# KiCad board NoU2-panelized2.kicad_pcb (continued)
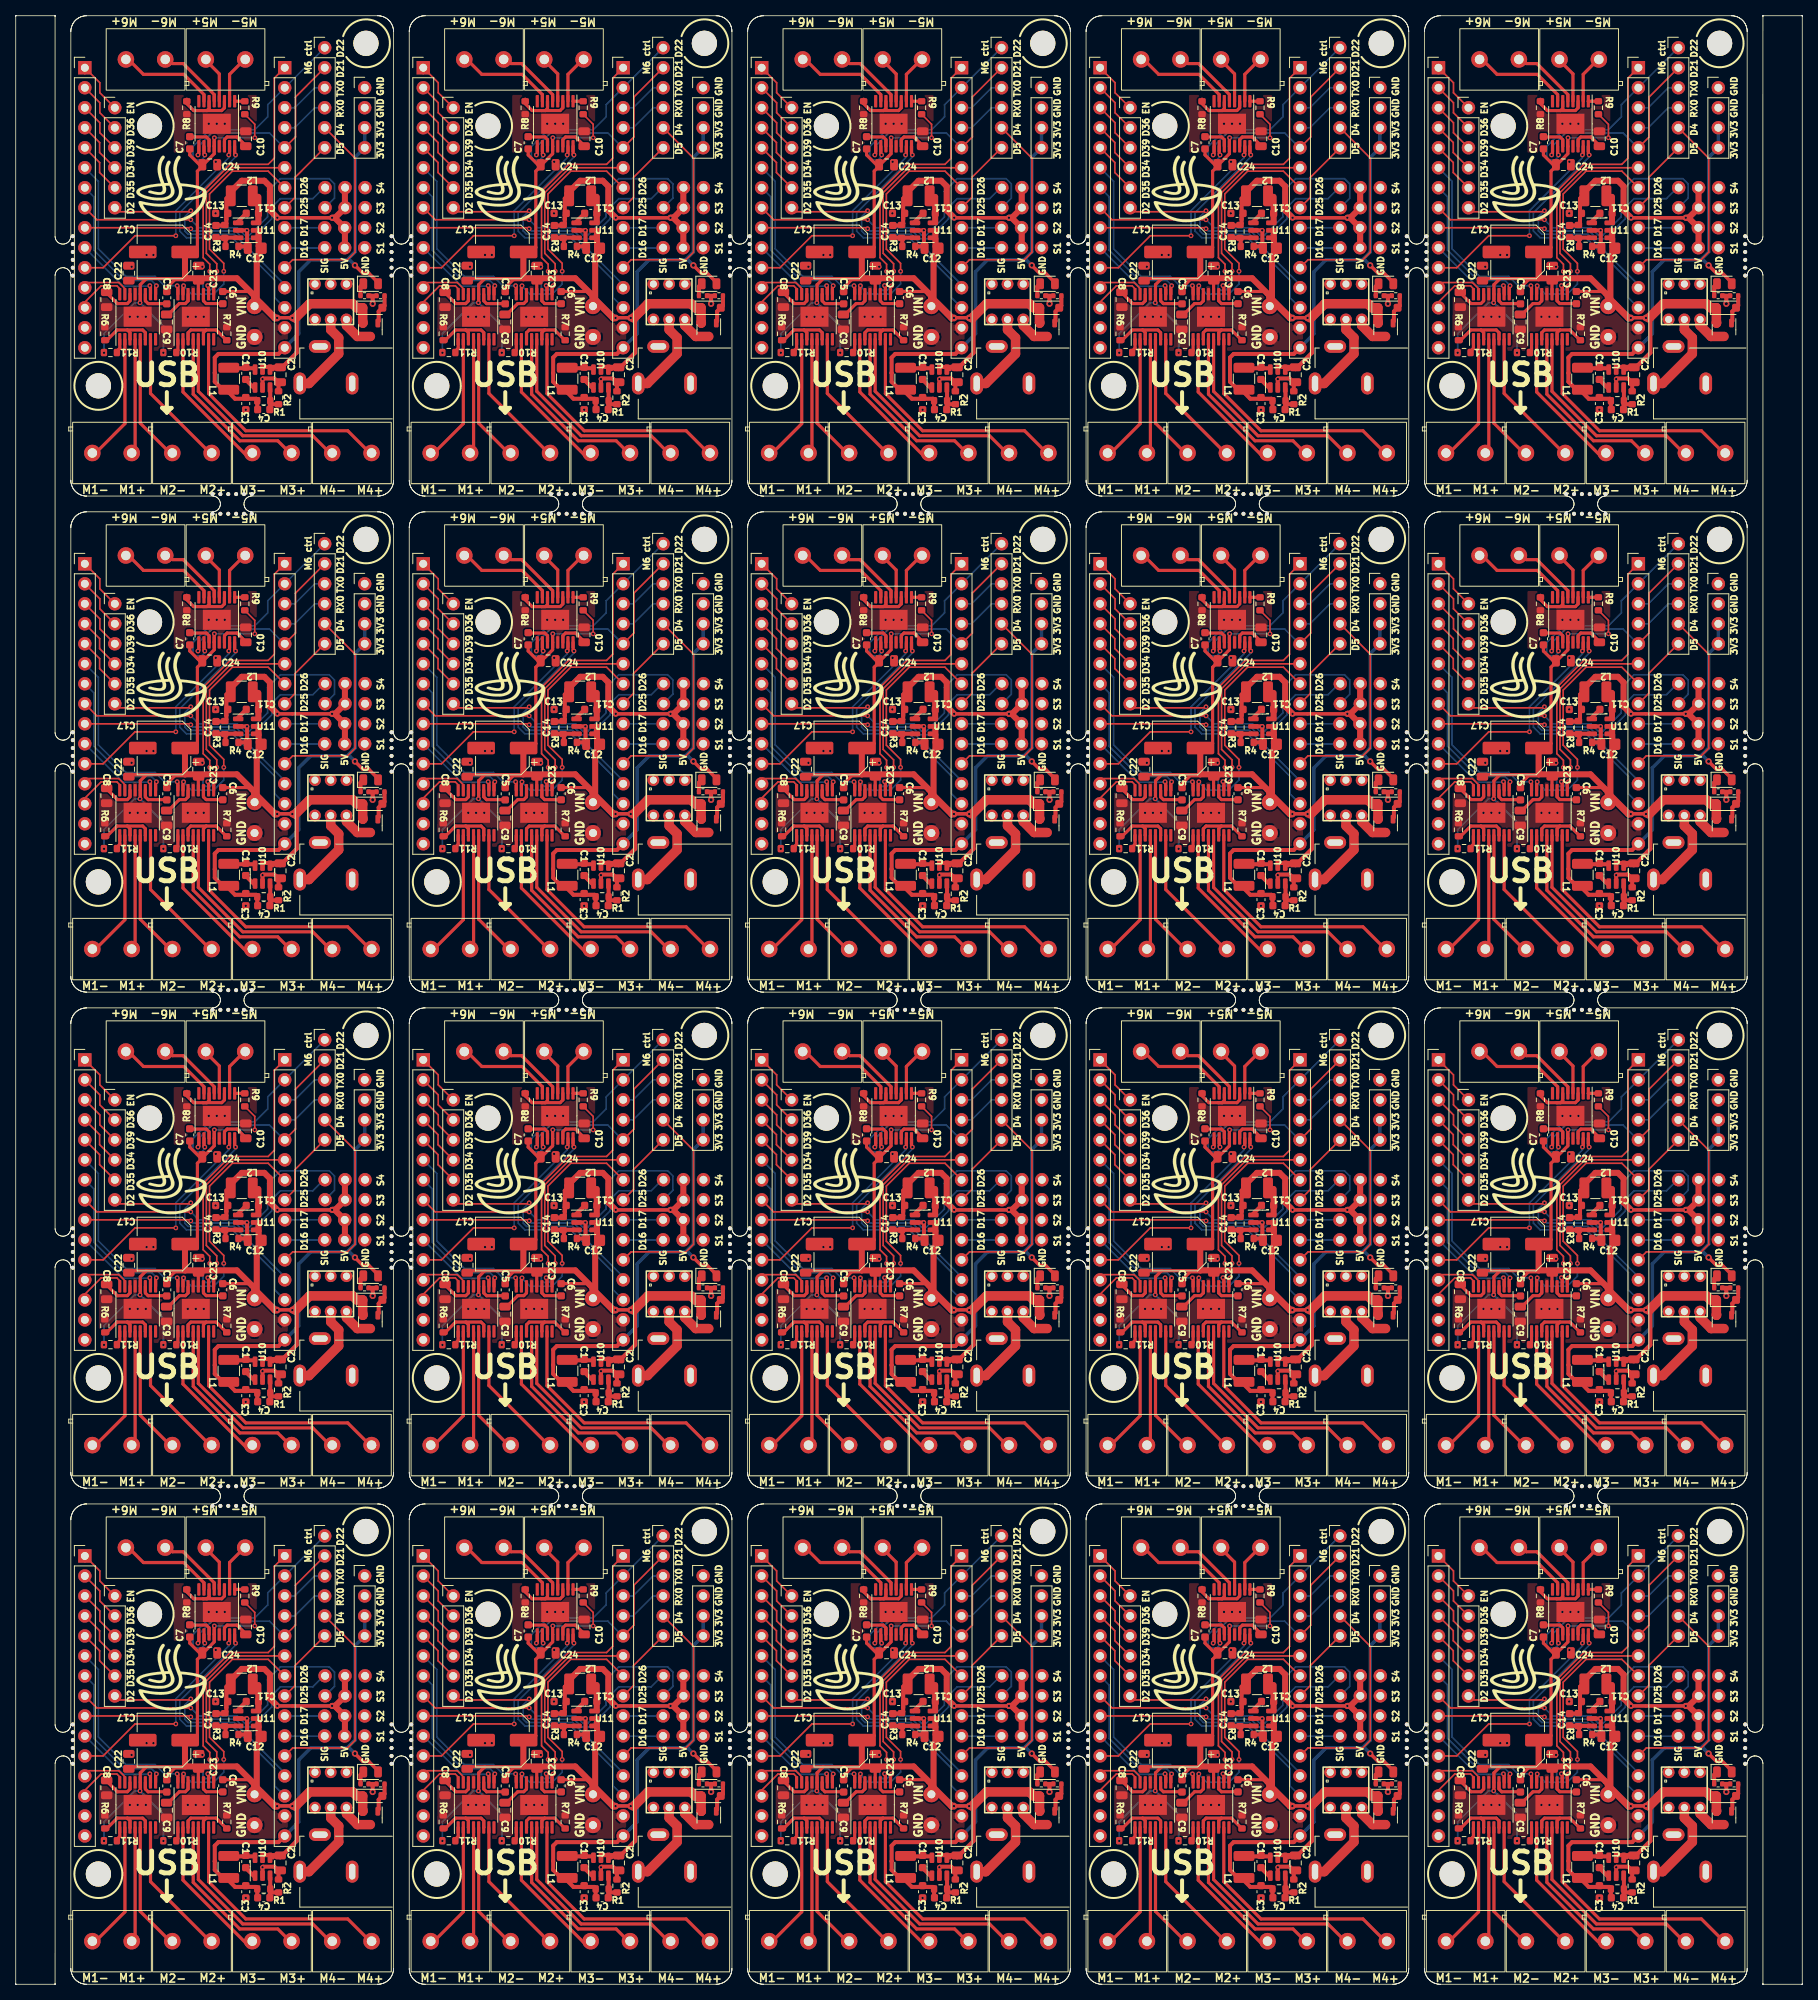
[diagram p0: board, top side]
## Placement (name value [footprint] x y rotation side) (continued)
R3#9  100K  [R_0603_1608Metric]  26.56 159.61 270 top
R3#10  100K  [R_0603_1608Metric]  112.56 96.61 270 top
R3#11  100K  [R_0603_1608Metric]  69.56 96.61 270 top
R3#12  100K  [R_0603_1608Metric]  155.56 96.61 270 top
R3#13  100K  [R_0603_1608Metric]  26.56 33.61 270 top
R3#14  100K  [R_0603_1608Metric]  155.56 159.61 270 top
R3#15  100K  [R_0603_1608Metric]  198.56 222.61 270 top
R3#16  100K  [R_0603_1608Metric]  112.56 33.61 270 top
R3#17  100K  [R_0603_1608Metric]  198.56 96.61 270 top
R3#18  100K  [R_0603_1608Metric]  26.56 222.61 270 top
R3#19  100K  [R_0603_1608Metric]  112.56 222.61 270 top
R3#20  100K  [R_0603_1608Metric]  112.56 159.61 270 top
R4  13K  [R_0603_1608Metric]  27.47 220.71 0 top
R4#2  13K  [R_0603_1608Metric]  70.47 157.71 0 top
R4#3  13K  [R_0603_1608Metric]  113.47 94.71 0 top
R4#4  13K  [R_0603_1608Metric]  70.47 220.71 0 top
R4#5  13K  [R_0603_1608Metric]  70.47 31.71 0 top
R4#6  13K  [R_0603_1608Metric]  156.47 31.71 0 top
R4#7  13K  [R_0603_1608Metric]  199.47 157.71 0 top
R4#8  13K  [R_0603_1608Metric]  27.47 31.71 0 top
R4#9  13K  [R_0603_1608Metric]  156.47 157.71 0 top
R4#10  13K  [R_0603_1608Metric]  27.47 157.71 0 top
R4#11  13K  [R_0603_1608Metric]  113.47 220.71 0 top
R4#12  13K  [R_0603_1608Metric]  113.47 157.71 0 top
R4#13  13K  [R_0603_1608Metric]  156.47 220.71 0 top
R4#14  13K  [R_0603_1608Metric]  199.47 220.71 0 top
R4#15  13K  [R_0603_1608Metric]  199.47 94.71 0 top
R4#16  13K  [R_0603_1608Metric]  199.47 31.71 0 top
R4#17  13K  [R_0603_1608Metric]  27.47 94.71 0 top
R4#18  13K  [R_0603_1608Metric]  70.47 94.71 0 top
R4#19  13K  [R_0603_1608Metric]  156.47 94.71 0 top
R4#20  13K  [R_0603_1608Metric]  113.47 31.71 0 top
R5  10K  [R_0402_1005Metric]  46.35 88.44 180 top
R5#2  10K  [R_0402_1005Metric]  89.35 214.44 180 top
R5#3  10K  [R_0402_1005Metric]  218.35 151.44 180 top
R5#4  10K  [R_0402_1005Metric]  89.35 25.44 180 top
R5#5  10K  [R_0402_1005Metric]  218.35 88.44 180 top
R5#6  10K  [R_0402_1005Metric]  46.35 214.44 180 top
R5#7  10K  [R_0402_1005Metric]  89.35 151.44 180 top
R5#8  10K  [R_0402_1005Metric]  218.35 25.44 180 top
R5#9  10K  [R_0402_1005Metric]  132.35 25.44 180 top
R5#10  10K  [R_0402_1005Metric]  46.35 25.44 180 top
R5#11  10K  [R_0402_1005Metric]  218.35 214.44 180 top
R5#12  10K  [R_0402_1005Metric]  46.35 151.44 180 top
R5#13  10K  [R_0402_1005Metric]  89.35 88.44 180 top
R5#14  10K  [R_0402_1005Metric]  132.35 151.44 180 top
R5#15  10K  [R_0402_1005Metric]  175.35 214.44 180 top
R5#16  10K  [R_0402_1005Metric]  132.35 88.44 180 top
R5#17  10K  [R_0402_1005Metric]  175.35 25.44 180 top
R5#18  10K  [R_0402_1005Metric]  175.35 151.44 180 top
R5#19  10K  [R_0402_1005Metric]  132.35 214.44 180 top
R5#20  10K  [R_0402_1005Metric]  175.35 88.44 180 top
R6  0.1R  [R_0603_1608Metric]  97.32 20.61 270 top
R6#2  0.1R  [R_0603_1608Metric]  54.32 146.61 270 top
R6#3  0.1R  [R_0603_1608Metric]  97.32 209.61 270 top
R6#4  0.1R  [R_0603_1608Metric]  54.32 209.61 270 top
R6#5  0.1R  [R_0603_1608Metric]  11.32 20.61 270 top
R6#6  0.1R  [R_0603_1608Metric]  97.32 83.61 270 top
R6#7  0.1R  [R_0603_1608Metric]  183.32 83.61 270 top
R6#8  0.1R  [R_0603_1608Metric]  54.32 83.61 270 top
R6#9  0.1R  [R_0603_1608Metric]  140.32 209.61 270 top
R6#10  0.1R  [R_0603_1608Metric]  11.32 146.61 270 top
R6#11  0.1R  [R_0603_1608Metric]  183.32 209.61 270 top
R6#12  0.1R  [R_0603_1608Metric]  11.32 209.61 270 top
R6#13  0.1R  [R_0603_1608Metric]  54.32 20.61 270 top
R6#14  0.1R  [R_0603_1608Metric]  97.32 146.61 270 top
R6#15  0.1R  [R_0603_1608Metric]  11.32 83.61 270 top
R6#16  0.1R  [R_0603_1608Metric]  140.32 146.61 270 top
R6#17  0.1R  [R_0603_1608Metric]  140.32 83.61 270 top
R6#18  0.1R  [R_0603_1608Metric]  183.32 20.61 270 top
R6#19  0.1R  [R_0603_1608Metric]  140.32 20.61 270 top
R6#20  0.1R  [R_0603_1608Metric]  183.32 146.61 270 top
R7  0.1R  [R_0603_1608Metric]  26.81 209.61 270 top
R7#2  0.1R  [R_0603_1608Metric]  198.81 209.61 270 top
R7#3  0.1R  [R_0603_1608Metric]  112.81 209.61 270 top
R7#4  0.1R  [R_0603_1608Metric]  198.81 146.61 270 top
R7#5  0.1R  [R_0603_1608Metric]  198.81 20.61 270 top
R7#6  0.1R  [R_0603_1608Metric]  112.81 146.61 270 top
R7#7  0.1R  [R_0603_1608Metric]  198.81 83.61 270 top
R7#8  0.1R  [R_0603_1608Metric]  155.81 83.61 270 top
R7#9  0.1R  [R_0603_1608Metric]  155.81 146.61 270 top
R7#10  0.1R  [R_0603_1608Metric]  155.81 209.61 270 top
R7#11  0.1R  [R_0603_1608Metric]  69.81 209.61 270 top
R7#12  0.1R  [R_0603_1608Metric]  69.81 146.61 270 top
R7#13  0.1R  [R_0603_1608Metric]  112.81 83.61 270 top
R7#14  0.1R  [R_0603_1608Metric]  112.81 20.61 270 top
R7#15  0.1R  [R_0603_1608Metric]  26.81 146.61 270 top
R7#16  0.1R  [R_0603_1608Metric]  26.81 20.61 270 top
R7#17  0.1R  [R_0603_1608Metric]  69.81 20.61 270 top
R7#18  0.1R  [R_0603_1608Metric]  155.81 20.61 270 top
R7#19  0.1R  [R_0603_1608Metric]  26.81 83.61 270 top
R7#20  0.1R  [R_0603_1608Metric]  69.81 83.61 270 top
R8  0.1R  [R_0603_1608Metric]  150.73 238.32 90 top
R8#2  0.1R  [R_0603_1608Metric]  193.73 49.32 90 top
R8#3  0.1R  [R_0603_1608Metric]  64.73 175.32 90 top
R8#4  0.1R  [R_0603_1608Metric]  64.73 49.32 90 top
R8#5  0.1R  [R_0603_1608Metric]  150.73 175.32 90 top
R8#6  0.1R  [R_0603_1608Metric]  21.73 49.32 90 top
R8#7  0.1R  [R_0603_1608Metric]  193.73 175.32 90 top
R8#8  0.1R  [R_0603_1608Metric]  107.73 49.32 90 top
R8#9  0.1R  [R_0603_1608Metric]  193.73 238.32 90 top
R8#10  0.1R  [R_0603_1608Metric]  150.73 112.32 90 top
R8#11  0.1R  [R_0603_1608Metric]  64.73 112.32 90 top
R8#12  0.1R  [R_0603_1608Metric]  107.73 175.32 90 top
R8#13  0.1R  [R_0603_1608Metric]  21.73 238.32 90 top
R8#14  0.1R  [R_0603_1608Metric]  21.73 112.32 90 top
R8#15  0.1R  [R_0603_1608Metric]  107.73 238.32 90 top
R8#16  0.1R  [R_0603_1608Metric]  64.73 238.32 90 top
R8#17  0.1R  [R_0603_1608Metric]  150.73 49.32 90 top
R8#18  0.1R  [R_0603_1608Metric]  107.73 112.32 90 top
R8#19  0.1R  [R_0603_1608Metric]  193.73 112.32 90 top
R8#20  0.1R  [R_0603_1608Metric]  21.73 175.32 90 top
R9  22K  [R_0603_1608Metric]  115.1 49.32 270 top
R9#2  22K  [R_0603_1608Metric]  115.1 112.32 270 top
R9#3  22K  [R_0603_1608Metric]  115.1 175.32 270 top
R9#4  22K  [R_0603_1608Metric]  72.1 238.32 270 top
R9#5  22K  [R_0603_1608Metric]  201.1 49.32 270 top
R9#6  22K  [R_0603_1608Metric]  72.1 175.32 270 top
R9#7  22K  [R_0603_1608Metric]  29.1 175.32 270 top
R9#8  22K  [R_0603_1608Metric]  29.1 238.32 270 top
R9#9  22K  [R_0603_1608Metric]  115.1 238.32 270 top
R9#10  22K  [R_0603_1608Metric]  29.1 112.32 270 top
R9#11  22K  [R_0603_1608Metric]  201.1 175.32 270 top
R9#12  22K  [R_0603_1608Metric]  201.1 238.32 270 top
R9#13  22K  [R_0603_1608Metric]  72.1 49.32 270 top
R9#14  22K  [R_0603_1608Metric]  158.1 238.32 270 top
R9#15  22K  [R_0603_1608Metric]  158.1 112.32 270 top
R9#16  22K  [R_0603_1608Metric]  158.1 175.32 270 top
R9#17  22K  [R_0603_1608Metric]  201.1 112.32 270 top
R9#18  22K  [R_0603_1608Metric]  72.1 112.32 270 top
R9#19  22K  [R_0603_1608Metric]  29.1 49.32 270 top
R9#20  22K  [R_0603_1608Metric]  158.1 49.32 270 top
R10  22K  [R_0603_1608Metric]  62.57 144.23 180 top
R10#2  22K  [R_0603_1608Metric]  105.57 144.23 180 top
R10#3  22K  [R_0603_1608Metric]  148.57 144.23 180 top
R10#4  22K  [R_0603_1608Metric]  62.57 18.23 180 top
R10#5  22K  [R_0603_1608Metric]  191.57 81.23 180 top
R10#6  22K  [R_0603_1608Metric]  105.57 18.23 180 top
R10#7  22K  [R_0603_1608Metric]  105.57 207.23 180 top
R10#8  22K  [R_0603_1608Metric]  19.57 81.23 180 top
R10#9  22K  [R_0603_1608Metric]  148.57 81.23 180 top
R10#10  22K  [R_0603_1608Metric]  19.57 18.23 180 top
R10#11  22K  [R_0603_1608Metric]  191.57 18.23 180 top
R10#12  22K  [R_0603_1608Metric]  19.57 207.23 180 top
R10#13  22K  [R_0603_1608Metric]  191.57 144.23 180 top
R10#14  22K  [R_0603_1608Metric]  191.57 207.23 180 top
R10#15  22K  [R_0603_1608Metric]  62.57 207.23 180 top
R10#16  22K  [R_0603_1608Metric]  19.57 144.23 180 top
R10#17  22K  [R_0603_1608Metric]  148.57 18.23 180 top
R10#18  22K  [R_0603_1608Metric]  148.57 207.23 180 top
R10#19  22K  [R_0603_1608Metric]  62.57 81.23 180 top
R10#20  22K  [R_0603_1608Metric]  105.57 81.23 180 top
R11  22K  [R_0603_1608Metric]  141.03 207.23 180 top
R11#2  22K  [R_0603_1608Metric]  12.03 144.23 180 top
R11#3  22K  [R_0603_1608Metric]  12.03 18.23 180 top
R11#4  22K  [R_0603_1608Metric]  12.03 81.23 180 top
R11#5  22K  [R_0603_1608Metric]  55.03 18.23 180 top
R11#6  22K  [R_0603_1608Metric]  141.03 144.23 180 top
R11#7  22K  [R_0603_1608Metric]  55.03 144.23 180 top
R11#8  22K  [R_0603_1608Metric]  12.03 207.23 180 top
R11#9  22K  [R_0603_1608Metric]  55.03 81.23 180 top
R11#10  22K  [R_0603_1608Metric]  184.03 207.23 180 top
R11#11  22K  [R_0603_1608Metric]  98.03 81.23 180 top
R11#12  22K  [R_0603_1608Metric]  141.03 81.23 180 top
R11#13  22K  [R_0603_1608Metric]  184.03 81.23 180 top
R11#14  22K  [R_0603_1608Metric]  98.03 207.23 180 top
R11#15  22K  [R_0603_1608Metric]  184.03 144.23 180 top
R11#16  22K  [R_0603_1608Metric]  98.03 18.23 180 top
R11#17  22K  [R_0603_1608Metric]  141.03 18.23 180 top
R11#18  22K  [R_0603_1608Metric]  55.03 207.23 180 top
R11#19  22K  [R_0603_1608Metric]  98.03 144.23 180 top
R11#20  22K  [R_0603_1608Metric]  184.03 18.23 180 top
R14  1K  [R_0402_1005Metric]  173.32 214.44 0 top
R14#2  1K  [R_0402_1005Metric]  130.32 151.44 0 top
R14#3  1K  [R_0402_1005Metric]  44.32 25.44 0 top
R14#4  1K  [R_0402_1005Metric]  173.32 25.44 0 top
R14#5  1K  [R_0402_1005Metric]  87.32 88.44 0 top
R14#6  1K  [R_0402_1005Metric]  44.32 214.44 0 top
R14#7  1K  [R_0402_1005Metric]  87.32 214.44 0 top
R14#8  1K  [R_0402_1005Metric]  44.32 88.44 0 top
R14#9  1K  [R_0402_1005Metric]  216.32 25.44 0 top
R14#10  1K  [R_0402_1005Metric]  216.32 214.44 0 top
R14#11  1K  [R_0402_1005Metric]  87.32 151.44 0 top
R14#12  1K  [R_0402_1005Metric]  216.32 88.44 0 top
R14#13  1K  [R_0402_1005Metric]  130.32 25.44 0 top
R14#14  1K  [R_0402_1005Metric]  130.32 88.44 0 top
R14#15  1K  [R_0402_1005Metric]  173.32 88.44 0 top
R14#16  1K  [R_0402_1005Metric]  130.32 214.44 0 top
R14#17  1K  [R_0402_1005Metric]  87.32 25.44 0 top
R14#18  1K  [R_0402_1005Metric]  216.32 151.44 0 top
R14#19  1K  [R_0402_1005Metric]  44.32 151.44 0 top
R14#20  1K  [R_0402_1005Metric]  173.32 151.44 0 top
REF**  -  [MountingHole_3.2mm_M3]  182.5 203 0 top
REF**#2  -  [MountingHole_3.2mm_M3]  96.5 203 0 top
REF**#3  -  [MountingHole_3.2mm_M3]  139.5 203 0 top
REF**#4  -  [MountingHole_3.2mm_M3]  53.5 140 0 top
REF**#5  -  [MountingHole_3.2mm_M3]  96.5 140 0 top
REF**#6  -  [MountingHole_3.2mm_M3]  10.5 140 0 top
REF**#7  -  [MountingHole_3.2mm_M3]  182.5 77 0 top
REF**#8  -  [MountingHole_3.2mm_M3]  96.5 14 0 top
REF**#9  -  [MountingHole_3.2mm_M3]  10.5 77 0 top
REF**#10  -  [MountingHole_3.2mm_M3]  53.5 203 0 top
REF**#11  -  [MountingHole_3.2mm_M3]  96.5 77 0 top
REF**#12  -  [MountingHole_3.2mm_M3]  139.5 140 0 top
REF**#13  -  [MountingHole_3.2mm_M3]  182.5 14 0 top
REF**#14  -  [MountingHole_3.2mm_M3]  10.5 14 0 top
REF**#15  -  [MountingHole_3.2mm_M3]  139.5 77 0 top
REF**#16  -  [MountingHole_3.2mm_M3]  53.5 77 0 top
REF**#17  -  [MountingHole_3.2mm_M3]  53.5 14 0 top
REF**#18  -  [MountingHole_3.2mm_M3]  182.5 140 0 top
REF**#19  -  [MountingHole_3.2mm_M3]  139.5 14 0 top
REF**#20  -  [MountingHole_3.2mm_M3]  10.5 203 0 top
REF**#21  -  [MountingHole_3.2mm_M3]  44.5 246.5 0 top
REF**#22  -  [MountingHole_3.2mm_M3]  87.5 120.5 0 top
REF**#23  -  [MountingHole_3.2mm_M3]  44.5 183.5 0 top
REF**#24  -  [MountingHole_3.2mm_M3]  130.5 120.5 0 top
REF**#25  -  [MountingHole_3.2mm_M3]  87.5 183.5 0 top
REF**#26  -  [MountingHole_3.2mm_M3]  87.5 57.5 0 top
REF**#27  -  [MountingHole_3.2mm_M3]  87.5 246.5 0 top
REF**#28  -  [MountingHole_3.2mm_M3]  173.5 57.5 0 top
REF**#29  -  [MountingHole_3.2mm_M3]  216.5 183.5 0 top
REF**#30  -  [MountingHole_3.2mm_M3]  216.5 57.5 0 top
REF**#31  -  [MountingHole_3.2mm_M3]  130.5 183.5 0 top
REF**#32  -  [MountingHole_3.2mm_M3]  44.5 120.5 0 top
REF**#33  -  [MountingHole_3.2mm_M3]  173.5 183.5 0 top
REF**#34  -  [MountingHole_3.2mm_M3]  130.5 246.5 0 top
REF**#35  -  [MountingHole_3.2mm_M3]  173.5 246.5 0 top
REF**#36  -  [MountingHole_3.2mm_M3]  44.5 57.5 0 top
REF**#37  -  [MountingHole_3.2mm_M3]  216.5 120.5 0 top
REF**#38  -  [MountingHole_3.2mm_M3]  216.5 246.5 0 top
REF**#39  -  [MountingHole_3.2mm_M3]  130.5 57.5 0 top
REF**#40  -  [MountingHole_3.2mm_M3]  173.5 120.5 0 top
REF**#41  -  [NPTH]  90.75 92 0 top
REF**#42  -  [NPTH]  90.75 29 0 top
REF**#43  -  [NPTH]  112 123.75 0 top
REF**#44  -  [NPTH]  93.25 217 0 top
REF**#45  -  [NPTH]  70 60.75 0 top
REF**#46  -  [NPTH]  93.25 158 0 top
REF**#47  -  [NPTH]  111 60.75 0 top
REF**#48  -  [NPTH]  179.25 220 0 top
REF**#49  -  [NPTH]  47.75 92 0 top
REF**#50  -  [NPTH]  113 60.75 0 top
REF**#51  -  [NPTH]  202 60.75 0 top
REF**#52  -  [NPTH]  156 186.75 0 top
REF**#53  -  [NPTH]  47.75 154 0 top
REF**#54  -  [NPTH]  28 63.25 0 top
REF**#55  -  [NPTH]  133.75 94 0 top
REF**#56  -  [NPTH]  201 123.75 0 top
REF**#57  -  [NPTH]  47.75 159 0 top
REF**#58  -  [NPTH]  159 63.25 0 top
REF**#59  -  [NPTH]  112 186.75 0 top
REF**#60  -  [NPTH]  25 186.75 0 top
REF**#61  -  [NPTH]  93.25 28 0 top
REF**#62  -  [NPTH]  133.75 222 0 top
REF**#63  -  [NPTH]  73 63.25 0 top
REF**#64  -  [NPTH]  30 63.25 0 top
REF**#65  -  [NPTH]  157 63.25 0 top
REF**#66  -  [NPTH]  198 123.75 0 top
REF**#67  -  [NPTH]  133.75 29 0 top
REF**#68  -  [NPTH]  199 189.25 0 top
REF**#69  -  [NPTH]  47.75 158 0 top
REF**#70  -  [NPTH]  133.75 159 0 top
REF**#71  -  [NPTH]  197 60.75 0 top
REF**#72  -  [NPTH]  133.75 156 0 top
REF**#73  -  [NPTH]  179.25 31 0 top
REF**#74  -  [NPTH]  133.75 217 0 top
REF**#75  -  [NPTH]  69 123.75 0 top
REF**#76  -  [NPTH]  93.25 33 0 top
REF**#77  -  [NPTH]  219.75 30 0 top
REF**#78  -  [NPTH]  26 126.25 0 top
REF**#79  -  [NPTH]  71 63.25 0 top
REF**#80  -  [NPTH]  113 186.75 0 top
REF**#81  -  [NPTH]  199 186.75 0 top
REF**#82  -  [NPTH]  50.25 94 0 top
REF**#83  -  [NPTH]  90.75 94 0 top
REF**#84  -  [NPTH]  156 126.25 0 top
REF**#85  -  [NPTH]  179.25 219 0 top
REF**#86  -  [NPTH]  176.75 93 0 top
REF**#87  -  [NPTH]  201 126.25 0 top
REF**#88  -  [NPTH]  47.75 220 0 top
REF**#89  -  [NPTH]  176.75 219 0 top
REF**#90  -  [NPTH]  93.25 155 0 top
REF**#91  -  [NPTH]  154 126.25 0 top
REF**#92  -  [NPTH]  200 123.75 0 top
REF**#93  -  [NPTH]  176.75 94 0 top
REF**#94  -  [NPTH]  158 60.75 0 top
REF**#95  -  [NPTH]  219.75 29 0 top
REF**#96  -  [NPTH]  133.75 219 0 top
REF**#97  -  [NPTH]  116 63.25 0 top
REF**#98  -  [NPTH]  112 60.75 0 top
REF**#99  -  [NPTH]  219.75 217 0 top
REF**#100  -  [NPTH]  93.25 32 0 top
REF**#101  -  [NPTH]  7.25 156 0 top
REF**#102  -  [NPTH]  136.25 157 0 top
REF**#103  -  [NPTH]  133.75 31 0 top
REF**#104  -  [NPTH]  176.75 28 0 top
REF**#105  -  [NPTH]  27 63.25 0 top
REF**#106  -  [NPTH]  50.25 222 0 top
REF**#107  -  [NPTH]  93.25 220 0 top
REF**#108  -  [NPTH]  26 63.25 0 top
REF**#109  -  [NPTH]  201 186.75 0 top
REF**#110  -  [NPTH]  112 126.25 0 top
REF**#111  -  [NPTH]  47.75 93 0 top
REF**#112  -  [NPTH]  50.25 220 0 top
REF**#113  -  [NPTH]  155 186.75 0 top
REF**#114  -  [NPTH]  7.25 32 0 top
REF**#115  -  [NPTH]  157 123.75 0 top
REF**#116  -  [NPTH]  111 126.25 0 top
REF**#117  -  [NPTH]  136.25 94 0 top
REF**#118  -  [NPTH]  26 189.25 0 top
REF**#119  -  [NPTH]  50.25 219 0 top
REF**#120  -  [NPTH]  93.25 29 0 top
REF**#121  -  [NPTH]  26 123.75 0 top
REF**#122  -  [NPTH]  7.25 218 0 top
REF**#123  -  [NPTH]  200 189.25 0 top
REF**#124  -  [NPTH]  27 189.25 0 top
REF**#125  -  [NPTH]  93.25 93 0 top
REF**#126  -  [NPTH]  50.25 95 0 top
REF**#127  -  [NPTH]  136.25 220 0 top
REF**#128  -  [NPTH]  50.25 92 0 top
REF**#129  -  [NPTH]  113 189.25 0 top
REF**#130  -  [NPTH]  219.75 219 0 top
REF**#131  -  [NPTH]  90.75 95 0 top
REF**#132  -  [NPTH]  176.75 30 0 top
REF**#133  -  [NPTH]  7.25 29 0 top
REF**#134  -  [NPTH]  116 186.75 0 top
REF**#135  -  [NPTH]  28 189.25 0 top
REF**#136  -  [NPTH]  133.75 93 0 top
REF**#137  -  [NPTH]  198 126.25 0 top
REF**#138  -  [NPTH]  198 63.25 0 top
REF**#139  -  [NPTH]  90.75 155 0 top
REF**#140  -  [NPTH]  157 60.75 0 top
REF**#141  -  [NPTH]  47.75 221 0 top
REF**#142  -  [NPTH]  90.75 28 0 top
REF**#143  -  [NPTH]  156 60.75 0 top
REF**#144  -  [NPTH]  116 123.75 0 top
REF**#145  -  [NPTH]  50.25 221 0 top
REF**#146  -  [NPTH]  200 63.25 0 top
REF**#147  -  [NPTH]  27 60.75 0 top
REF**#148  -  [NPTH]  179.25 159 0 top
REF**#149  -  [NPTH]  199 123.75 0 top
REF**#150  -  [NPTH]  219.75 96 0 top
REF**#151  -  [NPTH]  219.75 157 0 top
REF**#152  -  [NPTH]  133.75 155 0 top
REF**#153  -  [NPTH]  7.25 31 0 top
REF**#154  -  [NPTH]  25 189.25 0 top
REF**#155  -  [NPTH]  90.75 30 0 top
REF**#156  -  [NPTH]  90.75 31 0 top
REF**#157  -  [NPTH]  7.25 28 0 top
REF**#158  -  [NPTH]  114 123.75 0 top
REF**#159  -  [NPTH]  198 189.25 0 top
REF**#160  -  [NPTH]  7.25 159 0 top
REF**#161  -  [NPTH]  219.75 94 0 top
REF**#162  -  [NPTH]  219.75 93 0 top
REF**#163  -  [NPTH]  114 189.25 0 top
REF**#164  -  [NPTH]  7.25 92 0 top
REF**#165  -  [NPTH]  7.25 222 0 top
REF**#166  -  [NPTH]  155 60.75 0 top
REF**#167  -  [NPTH]  179.25 217 0 top
REF**#168  -  [NPTH]  7.25 219 0 top
REF**#169  -  [NPTH]  136.25 93 0 top
REF**#170  -  [NPTH]  219.75 220 0 top
REF**#171  -  [NPTH]  154 189.25 0 top
REF**#172  -  [NPTH]  136.25 29 0 top
REF**#173  -  [NPTH]  47.75 219 0 top
REF**#174  -  [NPTH]  176.75 157 0 top
REF**#175  -  [NPTH]  50.25 93 0 top
REF**#176  -  [NPTH]  69 60.75 0 top
REF**#177  -  [NPTH]  93.25 218 0 top
REF**#178  -  [NPTH]  136.25 217 0 top
REF**#179  -  [NPTH]  115 189.25 0 top
REF**#180  -  [NPTH]  176.75 95 0 top
REF**#181  -  [NPTH]  136.25 92 0 top
REF**#182  -  [NPTH]  111 123.75 0 top
REF**#183  -  [NPTH]  47.75 217 0 top
REF**#184  -  [NPTH]  7.25 154 0 top
REF**#185  -  [NPTH]  68 189.25 0 top
REF**#186  -  [NPTH]  197 126.25 0 top
REF**#187  -  [NPTH]  90.75 158 0 top
REF**#188  -  [NPTH]  133.75 95 0 top
REF**#189  -  [NPTH]  176.75 159 0 top
REF**#190  -  [NPTH]  47.75 222 0 top
REF**#191  -  [NPTH]  176.75 154 0 top
REF**#192  -  [NPTH]  7.25 158 0 top
REF**#193  -  [NPTH]  136.25 30 0 top
REF**#194  -  [NPTH]  115 60.75 0 top
REF**#195  -  [NPTH]  26 60.75 0 top
REF**#196  -  [NPTH]  155 123.75 0 top
REF**#197  -  [NPTH]  176.75 92 0 top
REF**#198  -  [NPTH]  202 63.25 0 top
REF**#199  -  [NPTH]  197 186.75 0 top
REF**#200  -  [NPTH]  136.25 96 0 top
REF**#201  -  [NPTH]  111 63.25 0 top
REF**#202  -  [NPTH]  47.75 156 0 top
REF**#203  -  [NPTH]  136.25 154 0 top
REF**#204  -  [NPTH]  200 126.25 0 top
REF**#205  -  [NPTH]  93.25 96 0 top
REF**#206  -  [NPTH]  202 123.75 0 top
REF**#207  -  [NPTH]  7.25 217 0 top
REF**#208  -  [NPTH]  90.75 154 0 top
REF**#209  -  [NPTH]  70 123.75 0 top
REF**#210  -  [NPTH]  68 123.75 0 top
REF**#211  -  [NPTH]  93.25 219 0 top
REF**#212  -  [NPTH]  112 189.25 0 top
REF**#213  -  [NPTH]  136.25 219 0 top
REF**#214  -  [NPTH]  28 60.75 0 top
REF**#215  -  [NPTH]  50.25 154 0 top
REF**#216  -  [NPTH]  70 63.25 0 top
REF**#217  -  [NPTH]  7.25 30 0 top
REF**#218  -  [NPTH]  90.75 32 0 top
REF**#219  -  [NPTH]  159 60.75 0 top
REF**#220  -  [NPTH]  198 60.75 0 top
REF**#221  -  [NPTH]  136.25 221 0 top
REF**#222  -  [NPTH]  179.25 156 0 top
REF**#223  -  [NPTH]  200 186.75 0 top
REF**#224  -  [NPTH]  25 60.75 0 top
REF**#225  -  [NPTH]  219.75 158 0 top
REF**#226  -  [NPTH]  90.75 219 0 top
REF**#227  -  [NPTH]  27 186.75 0 top
REF**#228  -  [NPTH]  133.75 158 0 top
REF**#229  -  [NPTH]  71 126.25 0 top
REF**#230  -  [NPTH]  93.25 156 0 top
REF**#231  -  [NPTH]  30 126.25 0 top
REF**#232  -  [NPTH]  219.75 159 0 top
REF**#233  -  [NPTH]  50.25 31 0 top
REF**#234  -  [NPTH]  179.25 222 0 top
REF**#235  -  [NPTH]  47.75 29 0 top
REF**#236  -  [NPTH]  7.25 93 0 top
REF**#237  -  [MountingHole_3.2mm_M3]  189 173 0 top
REF**#238  -  [MountingHole_3.2mm_M3]  17 173 0 top
REF**#239  -  [MountingHole_3.2mm_M3]  60 47 0 top
REF**#240  -  [MountingHole_3.2mm_M3]  60 236 0 top
REF**#241  -  [MountingHole_3.2mm_M3]  17 236 0 top
REF**#242  -  [MountingHole_3.2mm_M3]  103 236 0 top
REF**#243  -  [MountingHole_3.2mm_M3]  146 236 0 top
REF**#244  -  [MountingHole_3.2mm_M3]  103 110 0 top
REF**#245  -  [MountingHole_3.2mm_M3]  60 173 0 top
REF**#246  -  [MountingHole_3.2mm_M3]  189 236 0 top
REF**#247  -  [MountingHole_3.2mm_M3]  103 173 0 top
REF**#248  -  [MountingHole_3.2mm_M3]  146 110 0 top
REF**#249  -  [MountingHole_3.2mm_M3]  189 110 0 top
REF**#250  -  [MountingHole_3.2mm_M3]  17 47 0 top
REF**#251  -  [MountingHole_3.2mm_M3]  17 110 0 top
REF**#252  -  [MountingHole_3.2mm_M3]  146 173 0 top
REF**#253  -  [MountingHole_3.2mm_M3]  146 47 0 top
REF**#254  -  [MountingHole_3.2mm_M3]  60 110 0 top
REF**#255  -  [MountingHole_3.2mm_M3]  189 47 0 top
REF**#256  -  [MountingHole_3.2mm_M3]  103 47 0 top
REF**#257  -  [NPTH]  70 186.75 0 top
REF**#258  -  [NPTH]  176.75 156 0 top
REF**#259  -  [NPTH]  157 186.75 0 top
REF**#260  -  [NPTH]  7.25 94 0 top
REF**#261  -  [NPTH]  136.25 91 0 top
REF**#262  -  [NPTH]  155 63.25 0 top
REF**#263  -  [NPTH]  219.75 156 0 top
REF**#264  -  [NPTH]  219.75 95 0 top
REF**#265  -  [NPTH]  90.75 220 0 top
REF**#266  -  [NPTH]  158 189.25 0 top
REF**#267  -  [NPTH]  136.25 158 0 top
REF**#268  -  [NPTH]  25 126.25 0 top
REF**#269  -  [NPTH]  155 189.25 0 top
REF**#270  -  [NPTH]  7.25 95 0 top
REF**#271  -  [NPTH]  90.75 96 0 top
REF**#272  -  [NPTH]  176.75 96 0 top
REF**#273  -  [NPTH]  90.75 91 0 top
REF**#274  -  [NPTH]  176.75 217 0 top
REF**#275  -  [NPTH]  93.25 221 0 top
REF**#276  -  [NPTH]  93.25 157 0 top
REF**#277  -  [NPTH]  136.25 218 0 top
REF**#278  -  [NPTH]  90.75 93 0 top
REF**#279  -  [NPTH]  116 189.25 0 top
REF**#280  -  [NPTH]  133.75 157 0 top
REF**#281  -  [NPTH]  73 123.75 0 top
REF**#282  -  [NPTH]  133.75 221 0 top
REF**#283  -  [NPTH]  7.25 91 0 top
REF**#284  -  [NPTH]  176.75 221 0 top
REF**#285  -  [NPTH]  176.75 222 0 top
REF**#286  -  [NPTH]  219.75 222 0 top
REF**#287  -  [NPTH]  73 60.75 0 top
REF**#288  -  [NPTH]  93.25 31 0 top
REF**#289  -  [NPTH]  176.75 220 0 top
REF**#290  -  [NPTH]  27 123.75 0 top
REF**#291  -  [NPTH]  47.75 155 0 top
REF**#292  -  [NPTH]  136.25 95 0 top
REF**#293  -  [NPTH]  199 60.75 0 top
REF**#294  -  [NPTH]  179.25 32 0 top
REF**#295  -  [NPTH]  50.25 218 0 top
REF**#296  -  [NPTH]  156 189.25 0 top
REF**#297  -  [NPTH]  202 126.25 0 top
REF**#298  -  [NPTH]  93.25 30 0 top
REF**#299  -  [NPTH]  179.25 155 0 top
REF**#300  -  [NPTH]  28 126.25 0 top
REF**#301  -  [NPTH]  179.25 158 0 top
REF**#302  -  [NPTH]  179.25 92 0 top
REF**#303  -  [NPTH]  72 63.25 0 top
REF**#304  -  [NPTH]  115 123.75 0 top
REF**#305  -  [NPTH]  179.25 33 0 top
REF**#306  -  [NPTH]  90.75 222 0 top
REF**#307  -  [NPTH]  133.75 30 0 top
REF**#308  -  [NPTH]  50.25 28 0 top
REF**#309  -  [NPTH]  116 60.75 0 top
REF**#310  -  [NPTH]  219.75 154 0 top
REF**#311  -  [NPTH]  176.75 31 0 top
REF**#312  -  [NPTH]  199 63.25 0 top
REF**#313  -  [NPTH]  72 126.25 0 top
REF**#314  -  [NPTH]  111 189.25 0 top
REF**#315  -  [NPTH]  179.25 93 0 top
REF**#316  -  [NPTH]  90.75 218 0 top
REF**#317  -  [NPTH]  154 60.75 0 top
REF**#318  -  [NPTH]  70 126.25 0 top
REF**#319  -  [NPTH]  7.25 155 0 top
REF**#320  -  [NPTH]  113 126.25 0 top
REF**#321  -  [NPTH]  50.25 158 0 top
REF**#322  -  [NPTH]  133.75 91 0 top
REF**#323  -  [NPTH]  197 189.25 0 top
REF**#324  -  [NPTH]  7.25 96 0 top
REF**#325  -  [NPTH]  71 186.75 0 top
REF**#326  -  [NPTH]  25 63.25 0 top
REF**#327  -  [NPTH]  50.25 156 0 top
REF**#328  -  [NPTH]  30 60.75 0 top
REF**#329  -  [NPTH]  50.25 29 0 top
REF**#330  -  [NPTH]  154 63.25 0 top
REF**#331  -  [NPTH]  114 63.25 0 top
REF**#332  -  [NPTH]  93.25 94 0 top
REF**#333  -  [NPTH]  72 189.25 0 top
REF**#334  -  [NPTH]  68 186.75 0 top
REF**#335  -  [NPTH]  47.75 218 0 top
REF**#336  -  [NPTH]  133.75 96 0 top
REF**#337  -  [NPTH]  50.25 159 0 top
REF**#338  -  [NPTH]  201 189.25 0 top
REF**#339  -  [NPTH]  219.75 218 0 top
REF**#340  -  [NPTH]  219.75 155 0 top
REF**#341  -  [NPTH]  179.25 29 0 top
REF**#342  -  [NPTH]  29 126.25 0 top
REF**#343  -  [NPTH]  73 189.25 0 top
REF**#344  -  [NPTH]  72 186.75 0 top
REF**#345  -  [NPTH]  30 189.25 0 top
REF**#346  -  [NPTH]  28 123.75 0 top
REF**#347  -  [NPTH]  7.25 157 0 top
REF**#348  -  [NPTH]  179.25 154 0 top
REF**#349  -  [NPTH]  28 186.75 0 top
REF**#350  -  [NPTH]  93.25 91 0 top
REF**#351  -  [NPTH]  90.75 156 0 top
REF**#352  -  [NPTH]  115 63.25 0 top
REF**#353  -  [NPTH]  219.75 91 0 top
REF**#354  -  [NPTH]  136.25 32 0 top
REF**#355  -  [NPTH]  158 186.75 0 top
REF**#356  -  [NPTH]  47.75 95 0 top
REF**#357  -  [NPTH]  179.25 95 0 top
REF**#358  -  [NPTH]  114 60.75 0 top
REF**#359  -  [NPTH]  136.25 156 0 top
REF**#360  -  [NPTH]  179.25 157 0 top
REF**#361  -  [NPTH]  29 189.25 0 top
REF**#362  -  [NPTH]  179.25 94 0 top